# Altium PCB VNA_BASE_AF2P-5.PcbDoc (part 2 of 3) (continued)
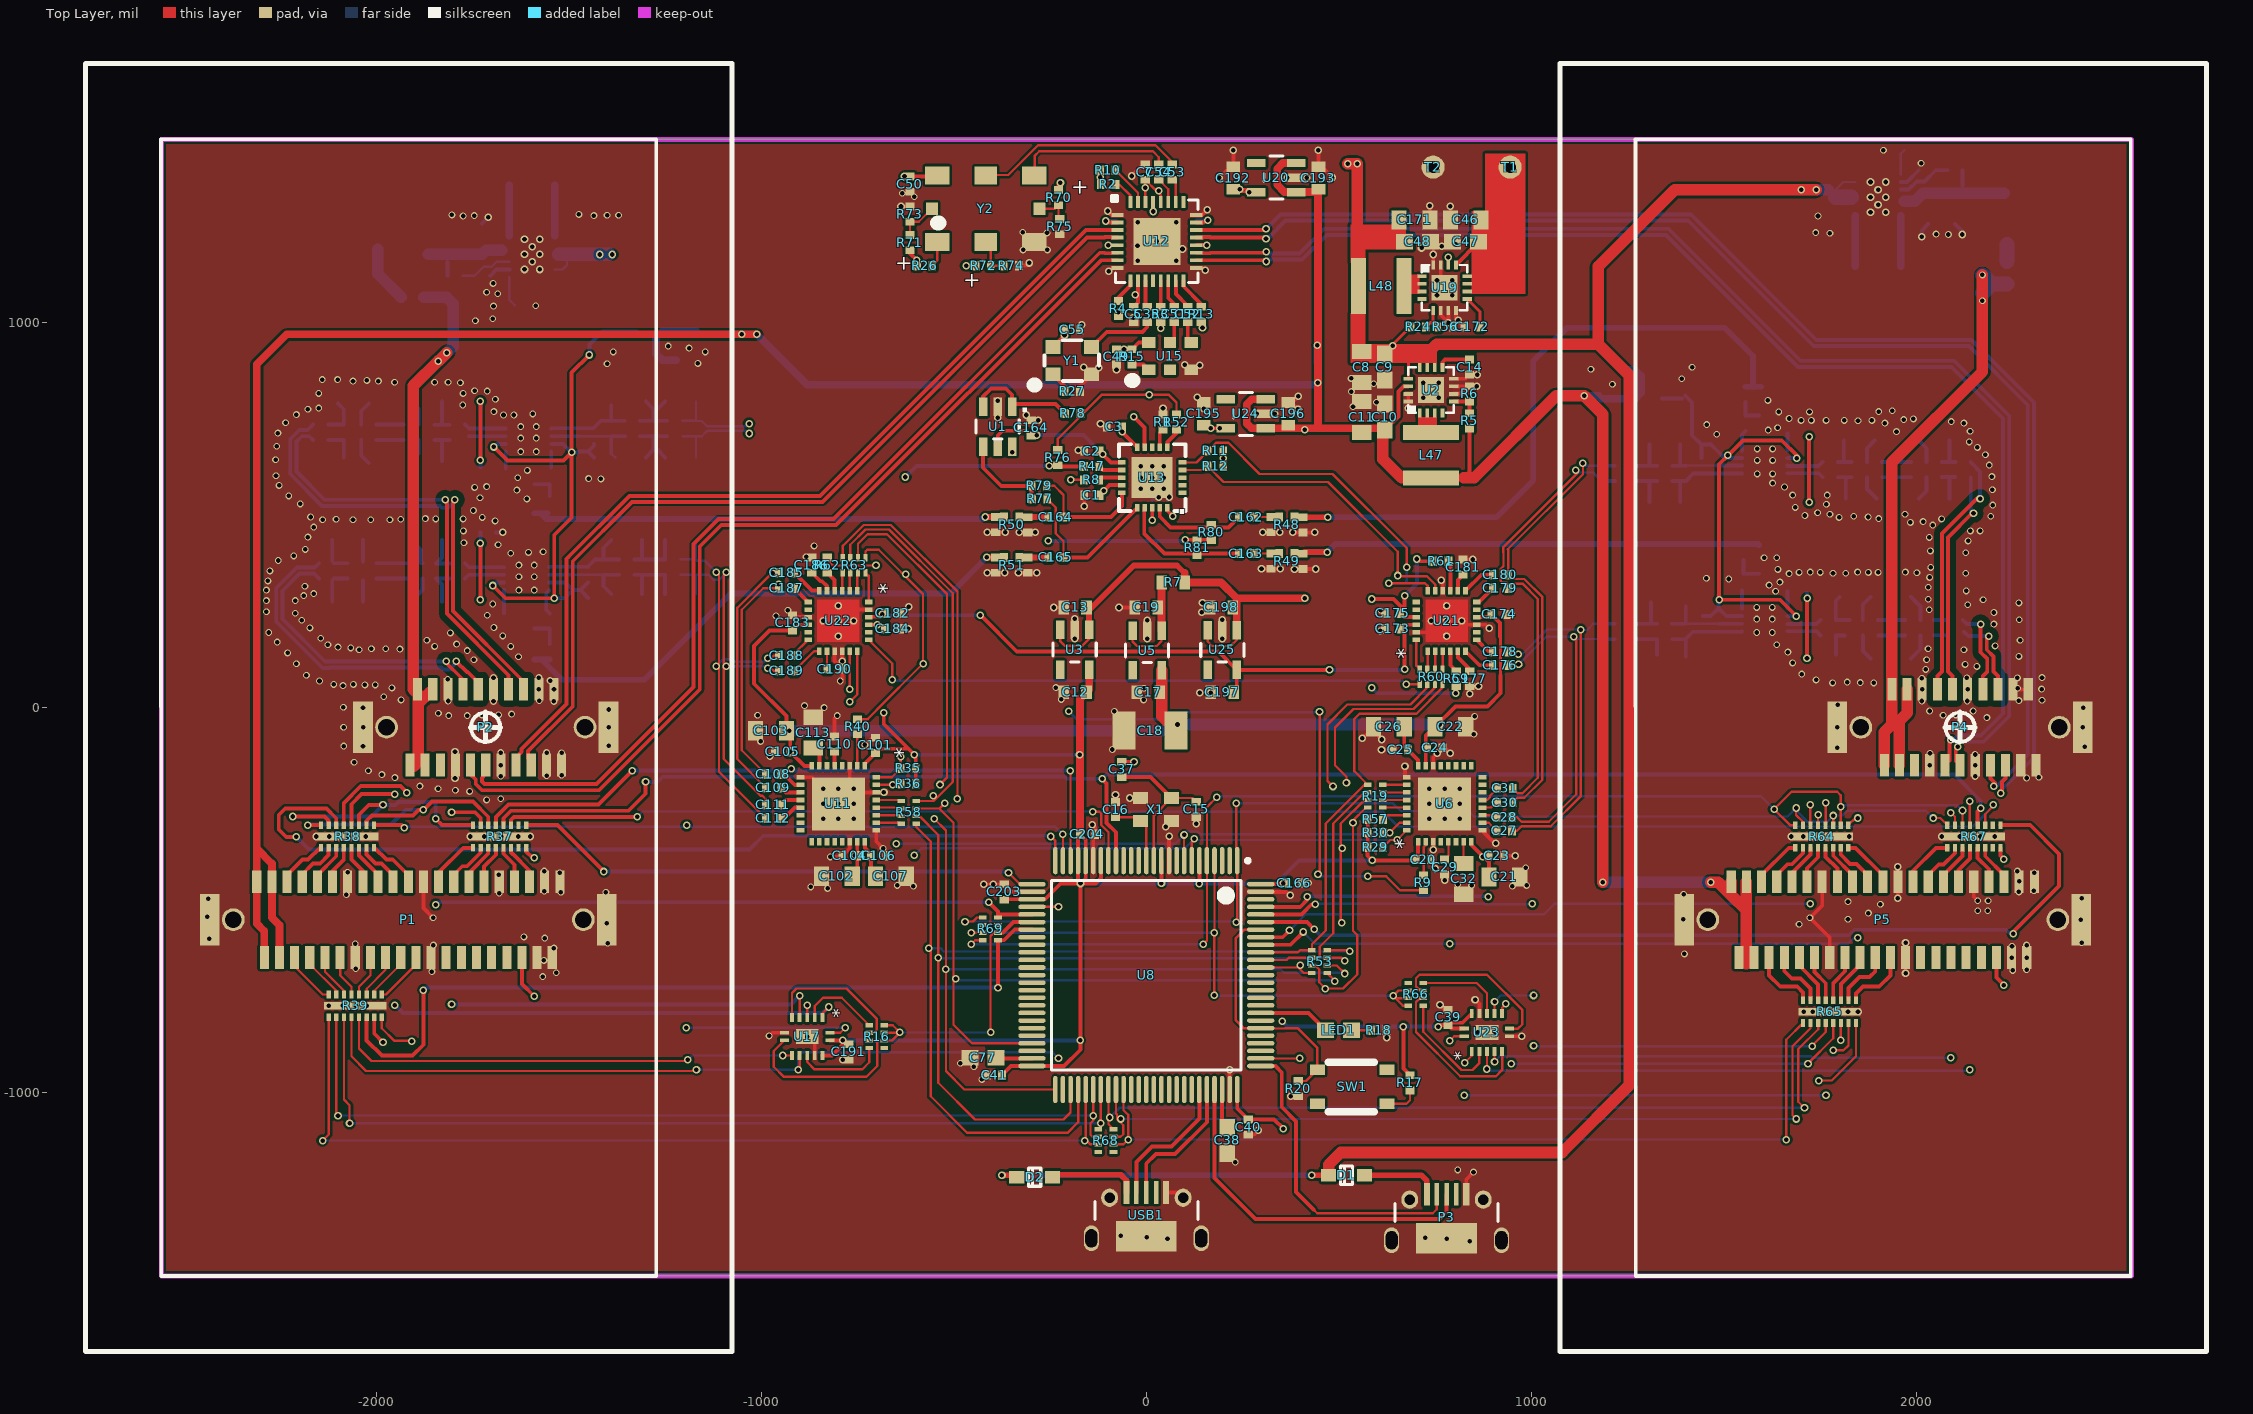
[diagram p0: Top Layer view]
## Nets (pads, with @x,y where several pads share a name; then routed paths per layer and width w, separated by ;. In a path a pad name is that pad's centre, name@x,y a point inside that pad or via, vN(x,y) a via of type N, cw(c..) or ccw(c..) an arc to the next point about the centre after c; other vN are vias at no path point) (continued)
  other v3: -1615.37,1138.26 -1576,1138.26 -1595.68,1157.95 -1615.37,1177.63 -1576,1177.63 -1595.68,1197.32 -1615.37,1217 -1576,1217 1881.48,1286.5 1920.85,1286.5 1901.17,1306.18 1881.48,1325.87 1920.85,1325.87 1901.17,1345.55 1881.48,1365.24 1920.85,1365.24
IF_CS: R37.13 U8.23 U17.4 | length 2474
  Top Layer w6: U17.4@-880.98,-805.5 v1(-880.98,-772.98) ; U8.23@-196.85,-397.76 v1@-196.85,-165.15
  Top Layer w10: R37.13@-1689.84,-305.47 -1689.84,-284.66 -1657.18,-252 -1423,-252 v1(-1335,-164)
  Signal Layer 1 w10: v1(-922,-159) -922,-756.82 -905.83,-772.98 v1(-880.98,-772.98)
  Bottom Layer w10: v1(-1335,-164) -1334.16,-163.16 -198.84,-163.16 v1(-198,-164)
IF_CS2: R67.13 U8.97 U23.4 | length 3118
  Top Layer w6: v1(885,-939) U23.4@885,-893.21 ; R67.13@2139,-304.32 2139.31,-304 2139.31,-243.31 v1(2139,-243)
  Top Layer w10: U8.97@297.24,-517.84 400.06,-517.84 417.74,-500.16 417.84,-500.16 418,-500 v1(418,-492)
  Signal Layer 1 w6: v1(2139,-941) 2139.31,-940.69 2139.31,-243.31 v1(2139,-243)
  Signal Layer 1 w10: v1@883.84,-937.84 883.84,-496.16 v1(888,-492)
  Bottom Layer w6: v1(885,-939) 889.84,-943.84 2136.16,-943.84 v1(2139,-941)
  Bottom Layer w10: v1(418,-492) 419.84,-490.16 886.16,-490.16 v1(888,-492)
IF_MISO: R37.15 U17.5 | length 1570
  Top Layer w6: U17.5@-900.67,-805.5 v1(-900.67,-748.67)
  Top Layer w10: v1(-1805,-272) -1744,-272 -1729.21,-286.79 R37.15@-1729.21,-305.47
  Signal Layer 1 w10: v1(-1805,-771) v1(-1805,-272)
  Bottom Layer w10: v1(-1805,-771) -923,-771 v1(-900.67,-748.67)
IF_MISO2: R67.15 U23.5 | length 1892.9
  Top Layer w6: v1(904.68,-919.68) U23.5@904.68,-893.21 ; v1(2090,-273) 2100.79,-283.79 R67.15@2100.79,-305.47
  Signal Layer 1 w6: v1(2090,-910) v1(2090,-273)
  Bottom Layer w6: v1(904.68,-919.68) 918.21,-906.16 1726.8,-906.16 1730.65,-910 v1(2090,-910)
IF_MOSI: R37.14 R38.10 R38.16 R39.6 R69.5 U8.32 | length 3299.2
  Top Layer w10: v1@-2177.47,-305.47 R38.16@-2143.9,-305.47 ; R38.10@-2025.79,-305.47 -2025.79,-294.05 -2011.74,-280 -1905,-280 -1891,-266 v1(-1878,-266) -1856,-244 -1749.37,-244 -1709.53,-283.84 R37.14@-1709.53,-305.47 ; R39.6@-2025.47,-804.53 -2025.47,-864.53 -1986,-904 -1906,-904 -1878,-876 v1(-1878,-734) ; v1(-385.32,-727.68) R69.5@-385.32,-604.53 -369.53,-604.53 -341.89,-576.89 U8.32@-297.24,-576.89
  Signal Layer 1 w10: v1(-1878,-734) v1(-1878,-266)
  Bottom Layer w10: v1@-2178,-303.84 -1961.84,-303.84 -1924,-266 v1(-1878,-266) ; v1(-1878,-734) -1871.68,-727.68 v1(-385.32,-727.68)
  other v1: -2178,-306
IF_MOSI2: R64.10 R64.16 R65.6 R67.14 R69.4 U8.5 | length 3853.8
  Top Layer w6: v1(-455,-615) -444.53,-604.53 R69.4@-424.69,-604.53 ; v1(148,-615) 157.48,-605.52 U8.5@157.48,-397.76 157.48,-258.52 v1(183,-233) ; R64.16@1686.1,-305.47 1672.47,-305.47 v1(1631,-264) 1676,-219 1795,-219 1804.21,-228.21 v1(1804.21,-257.79) R64.10@1804.21,-305.47 ; v1@1804.53,-863.47 R65.6@1804.53,-819.53 ; R67.14@2120.47,-305.47 v1(2120.47,-267.47)
  Signal Layer 1 w6: v1(1804.21,-863.79) 1804.16,-863.73 1804.16,-257.84 v1(1804.21,-257.79)
  Bottom Layer w6: v1(-455,-615) v1(148,-615) ; v1(183,-233) 185.84,-230.16 1597.16,-230.16 v1(1631,-264) ; v1(1804.21,-257.79) 1807.84,-254.16 2107.16,-254.16 v1(2120.47,-267.47)
IF_SCLK: R37.16 R38.11 R38.15 R39.7 R69.8 U8.30 | length 3236.6
  Top Layer w10: v1(-2218,-283) -2134.65,-283 -2124.21,-293.44 R38.15@-2124.21,-305.47 ; R38.11@-2045.47,-305.47 -2045.47,-278.47 -2020,-253 v1(-1983,-253) ; R39.7@-2005.79,-804.53 -2005.79,-847.21 v1(-1983,-870) ; v1(-1846,-289) -1829.53,-305.47 R37.16@-1748.9,-305.47 ; v1(-409,-506) -385.32,-529.68 R69.8@-385.32,-545.47 -377.36,-537.52 U8.30@-297.24,-537.52
  Signal Layer 1 w10: v1(-1983,-870) v1(-1983,-253) ; v1(-1846,-512) v1(-1846,-289)
  Bottom Layer w10: v1(-2218,-283) -2013,-283 v1(-1983,-253) -1950.52,-253 -1942.68,-245.16 -1852.84,-245.16 -1846,-252 v1(-1846,-289) ; v1(-1846,-512) -1840,-506 v1(-409,-506)
IF_SCLK2: R64.11 R64.15 R65.7 R67.16 R69.1 U8.1 | length 3778.5
  Top Layer w6: v1(-471,-556) -450.05,-556 -439.53,-545.47 R69.1@-424.69,-545.47 ; v1(234,-558) 236.22,-555.78 U8.1@236.22,-397.76 ; U8.1@234,-403.78 v1(234,-249) ; v1(1688,-261) 1688,-279.09 1705.79,-296.88 R64.15@1705.79,-305.47 ; v1(1784.53,-890.53) 1811.47,-890.53 1824.21,-877.79 R65.7@1824.21,-819.53 ; R64.11@1784.53,-305.47 v1(1784.53,-280.53) ; v1(2044,-287) 2062.63,-287 R67.16@2081.1,-305.47
  Signal Layer 1 w6: v1(1784.53,-890.53) v1(1784.53,-280.53)
  Bottom Layer w6: v1(-471,-556) 232,-556 v1(234,-558) ; v1(234,-249) 641,-249 660.84,-268.84 836.84,-268.84 850.84,-282.84 1666.16,-282.84 v1(1688,-261) 1688,-267 1718,-297 1768.06,-297 v1(1784.53,-280.53) 1808.12,-280.53 1820.49,-268.16 2025.16,-268.16 v1(2044,-287)
KEY: R20.1 SW1.1 U8.81 U8.94 | length 648.1
  Top Layer w6: U8.94@297.24,-576.89 255.11,-576.89 232,-600 232,-812 252.8,-832.8 U8.81@297.24,-832.8 298.29,-833.84 360.8,-833.84 361.85,-832.8 392.8,-832.8 444.45,-884.45 SW1.1@444.45,-940.71 414.84,-970.31 R20.1@395,-970.31
LO_REF_1_N: P2.6 U12.6 | length 2490.9
  Top Layer w10: P2.6@-1716,-149.42 -1716,-173 -1726,-183 -1726,-192 -1719.31,-198.69 -1428.31,-198.69 -1176,53.63 -1176,425 -1111,490 -812.63,490 -121.05,1181.57 -108.53,1181.57 -107.37,1180.42 -90.11,1180.42 -88.95,1181.57 U12.6@-74.84,1181.57
LO_REF_1_P: P2.7 U12.7 | length 2492.3
  Top Layer w10: P2.7@-1755.37,-173.63 -1742,-187 -1742,-199 -1726.31,-214.69 -1421.69,-214.69 -1160,47 -1160,418.37 -1104.37,474 -806,474 -118.11,1161.89 U12.7@-74.84,1161.89
LO_REF_2_N: P4.6 U12.19 | length 3334.8
  Top Layer w10: U12.19@129.88,1181.57 147.47,1181.57 148.63,1180.42 165.89,1180.42 167.05,1181.57 309,1181.57 v1(312,1184.58) ; P4.6@2103,-138.43 2103,-107.48 v1(2108.24,-102.24)
  Bottom Layer w10: v1(312,1184.58) 316.84,1179.73 398,1179.73 462.27,1244 1356.63,1244 1699.63,901 2098.63,901 2242,757.63 2242,-21.63 2174.63,-89 2114.63,-89 2106.31,-97.31 2106.31,-100.31 v1(2108.24,-102.24)
LO_REF_2_P: P4.7 U12.18 | length 3310.3
  Top Layer w10: U12.18@129.88,1161.89 309,1161.89 v1(312,1158.89) ; 2087,-137.41 2087,-87.15 v1(2090.08,-84.08)
  Bottom Layer w10: v1(312,1158.89) 316.84,1163.73 404.63,1163.73 468.89,1228 1350,1228 1693,885 2092,885 2226,751 2226,-15 2168,-73 2108,-73 2095,-86 2092,-86 v1(2090.08,-84.08)
LOH_A1: C165.1 R77.1 U13.16 | length 414
  Top Layer w6: R77.1@-257.32,542 -235,519.69 -235,452 -215.32,432.32 C165.1@-215.32,390
  Top Layer w10: C165.1@-215.32,390 -152.8,390 U13.16@-24.06,518.74
LOH_A2: C164.1@-215.32,495 R79.1 U13.15 | length 308.4
  Top Layer w6: R79.1@-258.32,576 -239,576 -215.32,552.32 C164.1@-215.32,495
  Top Layer w10: C164.1@-215.32,495 -92,495 -63.43,523.57 U13.15@-63.43,558.11
LOH_B1: C162.1 R80.1 U13.19 | length 250.8
  Top Layer w10: U13.19@35,518.74 35,496.1 63.1,468 213.31,468 C162.1@240.31,495
LOH_B2: C163.1 R81.1 U13.17 | length 334.3
  Top Layer w10: U13.17@-4.37,518.74 -5.53,517.58 -5.53,452.53 47,400 C163.1@240.31,400
NetC14_1: C14.1 U2.9 | length 86.9
  Top Layer w10: U2.9@769.21,883.74 769.21,897.21 776.37,904.37 C14.1@839.69,904.37
NetC15_2: C15.2 C37.1 U8.12 X1.3 | length 402.2
  Top Layer w6: U8.12@19.68,-397.76 19.68,-280.32 X1.3@65,-235 120,-235 C15.2@130,-245
  Top Layer w10: C37.1@-64,-180.69 10.69,-180.69 X1.3@65,-235
NetC16_2: C16.2 U8.13 X1.1 | length 156.9
  Top Layer w6: C16.2@-80,-285 -25,-285 X1.1@-15,-295 ; U8.13@0,-397.76 X1.1@0,-310
NetC19_2: C19.2 R7.1 U5.1 U5.3 | length 265
  Top Layer w6: U5.3@-35.82,199.74 -35.82,171.82 -24,160 27,160 39.58,172.58 U5.1@39.58,199.74
  Top Layer w20: U5.1@39.58,199.74 R7.1@39.58,324.11
NetC25_2: C25.2 C26.2 U6.24 | length 116.5
  Top Layer w10: C26.2@670,-50 670,-100 C25.2@680,-110 706.1,-136.1 U6.24@706.1,-151.58
NetC27_1: C27.1 U6.10 | length 45.5
  Top Layer w6: U6.10@873.43,-299.21 889.53,-299.21 C27.1@910.31,-320
NetC28_1: C28.1 U6.11 | length 31.4
  Top Layer w6: U6.11@873.43,-279.53 C28.1@904.84,-279.53
NetC29_2: C29.2 U6.5 | length 36.7
  Top Layer w6: C29.2@784.84,-385.16 U6.5@784.84,-348.43
NetC30_2: C30.2 U6.12 | length 42.7
  Top Layer w6: U6.12@873.43,-259.84 895.16,-259.84 C30.2@910,-245
NetC31_2: C31.2 U6.13 | length 53.4
  Top Layer w6: U6.13@873.43,-240.16 885.84,-240.16 893,-233 893,-229 C31.2@912,-210
NetC32_2: C32.2 U6.7 | length 55.8
  Top Layer w6: C32.2@824.21,-404.21 U6.7@824.21,-348.43
NetC35_1: C35.1 Y1.3 | length 179.2
  Top Layer w10: Y1.3@-142.28,936.54 -102.82,976 -10,976 2.52,988.52 C35.1@2.52,1001.42
NetC35_2: C35.2 U12.11 | length 69.5
  Top Layer w10: U12.11@-2.01,1108.74 -2.01,1045.63 C35.2@2.52,1041.1
NetC37_2: C37.2 U13.9 | length 1026.9
  Top Layer w10: C37.2@-64,-141 v1(-32,-141) ; v1(-33,756) -4.37,727.37 U13.9@-4.37,676.22
  Signal Layer 1 w10: v1(-33,756) -40,749 -40,-133 v1(-32,-141)
NetC38_2: C38.2 U8.73 | length 90.6
  Top Layer w10: C38.2@196.85,-1092.85 U8.73@196.85,-1002.24
NetC51_1: C51.1 U15.5 | length 41.9
  Top Layer w10: U15.5@72.52,959.53 C51.1@72.52,1001.42
NetC51_2: C51.2 U12.14 | length 66.7
  Top Layer w10: U12.14@57.05,1108.74 57.05,1063.95 C51.2@72.52,1048.48
NetC52_1: C52.1 U15.4 | length 43.8
  Top Layer w10: U15.4@107.52,957.65 C52.1@107.52,1001.42
NetC52_2: C52.2 U12.15 | length 80.4
  Top Layer w10: U12.15@76.73,1108.74 76.73,1074.45 107.52,1043.66 C52.2@107.52,1041.1
NetC53_1: C53.1 Y2.5 | length 540.4
  Top Layer w6: Y2.5@-416.1,1383.46 -358.54,1383.46 -281.12,1460.88 24.12,1460.88 67.52,1417.48 C53.1@67.52,1410.79
NetC53_2: C53.2 U12.26 | length 48.4
  Top Layer w6: U12.26@76.73,1313.46 C53.2@76.73,1361.89
NetC54_1: C54.1 Y2.4 | length 402.4
  Top Layer w6: Y2.4@-290.12,1383.46 -290.12,1432.88 -278,1445 17.31,1445 32.52,1429.79 C54.1@32.52,1410.79
NetC54_2: C54.2 U12.27 | length 67.8
  Top Layer w6: C54.2@32.52,1371.1 57.05,1346.57 U12.27@57.05,1313.46
NetC56_2: C56.2 C58.2 L1.1 | length 80.3
  Bottom Layer w10: C56.2@-1590,205 C58.2@-1550,205 L1.1@-1550,164.68
NetC57_2: C57.2 L1.2 R51.1 | length 1373.7
  Top Layer w15: v1(-415,390) R51.1@-391,390
  Bottom Layer w15: C57.2@-1590,125 -1571,125 ; L1.2@-1550,125 -1571,125 ; v1(-415,390) -508.34,296.66 -1079.34,296.66 -1304,72 -1518,72 -1571,125
NetC58_1: C58.1 U18.8 | length 67.7
  Bottom Layer w10: U18.8@-1550.94,305.47 -1558.84,297.58 -1558.84,253.53 C58.1@-1550,244.68
NetC59_1: C59.1 U18.1 | length 59.8
  Bottom Layer w10: C59.1@-1669.06,245.63 U18.1@-1669.06,305.47
NetC61_2: C61.2 C62.2 L4.1 | length 90
  Bottom Layer w10: L4.1@-2115,275 C61.2@-2115,330 ; C61.2@-2110,335 C62.2@-2075,335
NetC62_1: C62.1 C76.2 L8.2 | length 89.7
  Bottom Layer w10: C76.2@-2115,380 L8.2@-2115,435 ; C76.2@-2110,375 C62.1@-2075.32,375
NetC63_1: C63.1 L4.2 | length 55.3
  Bottom Layer w10: L4.2@-2035,275 C63.1@-2035,330.31
NetC63_2: C63.2 C72.1 C130.1 | length 80.3
  Bottom Layer w10: C63.2@-2000,335 C72.1@-1919.69,335
NetC64_1: C64.1 C73.2 L5.1 | length 101.2
  Bottom Layer w10: L5.1@-1830,435 -1830,389.68 C64.1@-1845,374.68 C73.2@-1810.32,374.68
NetC64_2: C64.2 C65.1 L9.2 | length 101.5
  Bottom Layer w10: L9.2@-1830,275 -1830,320 C64.2@-1845,335 C65.1@-1809.69,335
NetC65_2: C65.2 L13.2 U18.3 | length 105
  Bottom Layer w10: C65.2@-1770,335 -1760.16,344.84 U18.3@-1669.06,344.84
NetC66_1: C66.1 C74.2 L10.2 R31.1 U18.5 | length 249.7
  Bottom Layer w10: U18.5@-1550.94,364.53 -1550.95,365.68 R31.1@-1451,365.68 ; R31.1@-1450,364.68 R31.1@-1451,365.68 ; C66.1@-1409.68,385 C74.2@-1370,385 ; L10.2@-1390,435 -1410,415 C66.1@-1410,384.68 -1432,384.68 R31.1@-1451,365.68
NetC66_2: C66.2 C67.1 L6.1 R28.1 U18.6 | length 239.1
  Bottom Layer w6: R28.1@-1489.68,345 C66.2@-1410,345
  Bottom Layer w10: U18.6@-1550.94,344.84 R28.1@-1490.16,344.84 ; L6.1@-1390,295 -1410,315 C66.2@-1410,345 C67.1@-1369.69,345
NetC67_2: C67.2 C68.2 C69.1 L6.2 L7.1 | length 179
  Bottom Layer w10: C67.2@-1330,345 C68.2@-1290,345 C69.1@-1249.68,345 ; L6.2@-1310,295 -1310,344 ; L7.1@-1250,295 C69.1@-1250,344.68
NetC68_1: C68.1 C74.1 C75.2 L10.1 L11.2 | length 180.3
  Bottom Layer w10: C74.1@-1330.32,385 C75.2@-1250,385 L11.2@-1250,435 ; -1310,385 L10.1@-1310,435
NetC71_1: C71.1 L8.1 | length 55.3
  Bottom Layer w10: C71.1@-2035,379.69 L8.1@-2035,435
NetC71_2: C71.2 C130.2 C131.2 | length 80
  Bottom Layer w10: C71.2@-2000,375 C130.2@-1960,375 C131.2@-1920,375
NetC72_2: C72.2 L9.1 | length 72.4
  Bottom Layer w10: L9.1@-1910,275 -1880,305 C72.2@-1880,335
NetC73_1: C73.1 L12.1 U18.4 | length 105.6
  Bottom Layer w10: C73.1@-1770.32,375 -1759.84,364.53 U18.4@-1669.06,364.53
NetC77_2: C77.2 U8.49 | length 92.2
  Top Layer w10: C77.2@-389.46,-911.54 U8.49@-297.24,-911.54
NetC78_2: C78.2 C80.2 L14.1 | length 70.3
  Bottom Layer w10: C78.2@-1590,580 C80.2@-1550,580 L14.1@-1550,549.68
NetC79_2: C79.2 L14.2 R50.1 | length 1226.6
  Top Layer w15: v1(-418,495) R50.1@-391,495
  Bottom Layer w15: C79.2@-1590,505 -1574,505 ; L14.2@-1555,505 -1574,505 ; v1(-418,495) -423.34,489.66 -1558.66,489.66 -1574,505
NetC80_1: C80.1 U9.8 | length 41.7
  Bottom Layer w10: C80.1@-1545.95,623.74 U9.8@-1545.94,665.47
NetC81_1: C81.1 U9.1 | length 44.8
  Bottom Layer w10: C81.1@-1664.06,620.63 U9.1@-1664.06,665.47
NetC83_1: C83.1 C96.1 C168.2 | length 70.3
  Bottom Layer w10: C168.2@-2000,695 C83.1@-1929.69,695
NetC83_2: C83.2 L18.1 | length 63.3
  Bottom Layer w10: L18.1@-1910,640 -1890,660 C83.2@-1890,695
NetC84_1: C84.1 C169.2 L18.2 | length 95.2
  Bottom Layer w10: C169.2@-1850,695 C84.1@-1809.69,695 ; L18.2@-1830,640 -1830,694.84
NetC84_2: C84.2 L23.2 U9.3 | length 96.1
  Bottom Layer w10: C84.2@-1760.16,704.84 U9.3@-1664.06,704.84
NetC85_2: C85.2 C167.2 L17.1 | length 85
  Bottom Layer w10: C85.2@-2125,695 C167.2@-2085,695 L17.1@-2085,650
NetC86_1: C86.1 C89.1 L49.1 R14.1 U7.4 U7.5 | length 233.2
  Bottom Layer w10: R14.1@-1815.37,1121.63 -1815.37,1157.94
  Bottom Layer w30: L49.1@-1865.63,1177.63 C86.1@-1795.68,1177.63 C89.1@-1725.68,1177.63 ; C89.1@-1727.05,1179 C89.1@-1725.68,1177.63 ; -1675,1188 -1715.31,1188 C89.1@-1725.68,1177.63
NetC90_1: C90.1 C170.2 L15.1 R25.1 U9.6 | length 249.9
  Bottom Layer w6: R25.1@-1475,704.68 C170.2@-1390.32,704.68 ; L15.1@-1390,660 L15.1@-1380,650
  Bottom Layer w10: U9.6@-1545.94,704.84 R25.1@-1475.16,704.84 ; L15.1@-1390,660 C170.2@-1390,705 C90.1@-1354.69,705
NetC90_2: C90.2 C91.2 C92.1 L15.2 L16.1 | length 171.9
  Bottom Layer w10: C90.2@-1315,705 C91.2@-1280,705 ; L15.2@-1300,650 -1280,670 ; L16.1@-1250,650 -1270,670 -1280,670 ; C92.1@-1244.69,705 C91.2@-1280,705 ; -1280,670 C91.2@-1280,705
NetC91_1: C91.1 C94.1 C95.2 L21.1 L22.2 | length 171.3
  Bottom Layer w10: C94.1@-1315.32,745 C91.1@-1280,745 ; L21.1@-1300,795 -1280,775 -1280,765 ; C91.1@-1280,744.68 C91.1@-1280,745 ; L22.2@-1250,795 -1280,765 ; C95.2@-1245,745 C91.1@-1280,745 ; C91.1@-1280,745 -1280,765
NetC94_2: C94.2 C170.1 L21.2 R33.1 U9.5 | length 240.4
  Bottom Layer w10: U9.5@-1545.94,724.53 -1545.95,725.68 -1436,725.68 -1416.68,745 C170.1@-1390,745 ; C170.1@-1390,744.68 C170.1@-1390,745 ; L21.2@-1390,785 C170.1@-1390,745 ; C94.2@-1355,745 C170.1@-1390,745
NetC96_2: C96.2 C98.2 C99.2 | length 70
  Bottom Layer w10: C98.2@-2000,735 C96.2@-1965,735 C99.2@-1930,735
NetC97_2: C97.2 C167.1 L19.2 | length 101.7
  Bottom Layer w10: C97.2@-2125,735 -2085.32,735 C167.1@-2085,734.68 -2085,775 L19.2@-2100,790
NetC98_1: C98.1 L19.1 | length 63.2
  Bottom Layer w10: C98.1@-2039.69,735 -2039.69,770.31 L19.1@-2020,790
NetC99_1: C99.1 L20.2 | length 68.2
  Bottom Layer w10: L20.2@-1910,795 -1890.32,775.32 C99.1@-1890.32,735
NetC100_1: C100.1 L24.1 U9.4 | length 110.6
  Bottom Layer w10: C100.1@-1770.32,735 -1759.84,724.53 U9.4@-1664.06,724.53
NetC100_2: C100.2 C169.1 L20.1 | length 99
  Bottom Layer w10: C169.1@-1850,734.68 C100.2@-1810.32,734.68 ; -1830,735.68 L20.1@-1830,795
NetC106_2: C106.2 C107.2 U11.24 | length 85.1
  Top Layer w10: U11.24@-731.1,-348.43 -731.1,-364.9 -715,-381 C106.2@-715,-385 C107.2@-715,-426.86
NetC108_1: C108.1 U11.10 | length 54
  Top Layer w10: C108.1@-940.93,-173.07 -913.21,-200.79 U11.10@-898.43,-200.79
NetC109_1: C109.1 U11.11 | length 55.8
  Top Layer w10: C109.1@-949.1,-208.07 -936.7,-220.47 U11.11@-898.43,-220.47
NetC110_2: C110.2 U11.5 | length 36.4
  Top Layer w10: U11.5@-809.84,-151.58 C110.2@-809.84,-115.16
NetC111_2: C111.2 U11.12 | length 55.7
  Top Layer w10: C111.2@-948.79,-253.07 -935.87,-240.16 U11.12@-898.43,-240.16
NetC112_2: C112.2 U11.13 | length 54.3
  Top Layer w10: C112.2@-941.07,-288.07 -912.84,-259.84 U11.13@-898.43,-259.84
NetC113_2: C113.2 U11.7 | length 30.8
  Top Layer w10: U11.7@-849.21,-151.58 C113.2@-849.21,-120.79
NetC114_2: C114.2 C116.2 L25.1 | length 70.3
  Bottom Layer w10: L25.1@1557.01,793.7 C116.2@1557.01,758.39 C114.2@1592.01,758.39
NetC115_2: C115.2 L25.2 R48.2 | length 1705.2
  Top Layer w15: R48.2@407,494.69 v1(471.68,494.68)
  Bottom Layer w15: v1(471.68,494.68) 909.68,494.68 1005,590 1005,900 1092,987 1502,987 1576,913 1576,833.39 ; L25.2@1557.01,833.39 1576,833.39 ; 1576,833 1576,833.39 ; C115.2@1597.01,833.39 1576,833.39
NetC116_1: C116.1 U14.8 | length 54.5
  Bottom Layer w10: U14.8@1547.95,667.91 1547.95,709.64 C116.1@1557.01,718.7
NetC117_1: C117.1 U14.1 | length 44.8
  Bottom Layer w10: U14.1@1666.06,667.91 C117.1@1666.06,712.76
NetC119_1: C119.1 C123.2 C134.1 | length 75.3
  Bottom Layer w10: C119.1@1911.69,638.39 C123.2@1987.01,638.39
NetC119_2: C119.2 L29.1 | length 63.3
  Bottom Layer w10: C119.2@1872.01,638.39 1872.01,673.39 L29.1@1892.01,693.39
NetC120_1: C120.1 C124.2 L29.2 | length 90.3
  Bottom Layer w10: C120.1@1796.69,638.39 C124.2@1832.01,638.39 ; 1812.01,638.39 L29.2@1812.01,693.39
NetC120_2: C120.2 L34.2 U14.3 | length 96.7
  Bottom Layer w10: U14.3@1666.06,628.54 1666.06,627.39 1746.01,627.39 C120.2@1757.01,638.39
NetC121_2: C121.2 C122.2 L28.1 | length 88
  Bottom Layer w10: C122.2@2067.01,638.39 C121.2@2102.01,638.39 ; 2087.01,640.39 L28.1@2087.01,693.39
NetC122_1: C122.1 C135.2 L30.2 | length 89
  Bottom Layer w10: C122.1@2067.01,598.7 C135.2@2101.69,598.7 ; L30.2@2087.01,543.39 2087.01,597.69
NetC123_1: C123.1 L28.2 | length 63.2
  Bottom Layer w10: L28.2@2007.01,693.39 2026.69,673.7 C123.1@2026.69,638.39
NetC124_1: C124.1 C138.2 L31.1 | length 86.7
  Bottom Layer w10: C138.2@1797.01,598.39 C124.1@1831.69,598.39 ; L31.1@1817.01,543.39 1817.01,595.38
NetC125_1: C125.1 C132.2 L32.2 R42.1 U14.5 | length 243.1
  Bottom Layer w10: C132.2@1367.01,588.39 1401.69,588.39 C125.1@1402.01,588.7 1421.01,607.7 1547.95,607.7 U14.5@1547.95,608.86 ; L32.2@1387.01,533.39 1387.01,586.38
NetC125_2: C125.2 C126.1 L26.1 R41.1 U14.6 | length 233.8
  Bottom Layer w6: C125.2@1402.32,628.7 R41.1@1482.01,628.7
  Bottom Layer w10: C126.1@1366.69,628.39 C125.2@1402.01,628.39 ; 1387.01,630.39 L26.1@1387.01,683.39 ; R41.1@1482.17,628.54 U14.6@1547.95,628.54
NetC126_2: C126.2 C127.2 C128.1 L26.2 L27.1 | length 179
  Bottom Layer w10: C128.1@1256.69,628.39 C127.2@1292.01,628.39 C126.2@1327.01,628.39 ; C128.1@1257.01,628.7 L27.1@1257.01,683.39 ; 1307.01,629.38 L26.2@1307.01,683.39
NetC127_1: C127.1 C132.1 C133.2 L32.1 L33.2 | length 178.3
  Bottom Layer w10: L33.2@1257.01,533.39 C133.2@1257.01,588.39 C132.1@1327.32,588.39 ; L32.1@1307.01,533.39 1307.01,586.39
NetC131_1: C131.1 L5.2 | length 74.5
  Bottom Layer w10: L5.2@-1910,435 -1884,409 -1884,375 C131.1@-1880.32,375
NetC134_2: C134.2 C136.2 C137.2 | length 75
  Bottom Layer w10: C137.2@1912.01,598.39 C134.2@1952.01,598.39 C136.2@1987.01,598.39
NetC136_1: C136.1 L30.1 | length 63.2
  Bottom Layer w10: L30.1@2007.01,543.39 2026.69,563.07 C136.1@2026.69,598.39
NetC137_1: C137.1 L31.2 | length 65.2
  Bottom Layer w10: C137.1@1872.32,598.39 1872.32,568.07 L31.2@1897.01,543.39
NetC138_1: C138.1 L35.1 U14.4 | length 95.6
  Bottom Layer w10: U14.4@1666.06,608.86 1746.85,608.86 C138.1@1757.32,598.39
NetC139_2: C139.2 C141.2 L36.1 | length 75.3
  Bottom Layer w10: L36.1@1551.42,382.95 C141.2@1551.42,347.64 C139.2@1591.42,347.64
NetC140_2: C140.2 L36.2 R49.2 | length 1195.9
  Top Layer w15: R49.2@407,399.69 411.32,404 v1(470,404)
  Bottom Layer w15: v1(470,404) 491,425 1589.06,425 C140.2@1591.42,422.64
NetC141_1: C141.1 U16.8 | length 46.7
  Bottom Layer w10: U16.8@1547.36,257.17 C141.1@1547.36,303.9
NetC142_1: C142.1 U16.1 | length 44.8
  Bottom Layer w10: U16.1@1665.47,257.17 C142.1@1665.47,302.01
NetC144_1: C144.1 C148.2 C157.1 | length 70.3
  Bottom Layer w10: C144.1@1901.1,227.64 C148.2@1971.42,227.64
NetC144_2: C144.2 L40.1 | length 68.3
  Bottom Layer w10: C144.2@1861.42,227.64 1861.42,267.64 L40.1@1881.42,287.64
NetC145_1: C145.1 C149.2 L40.2 | length 99.6
  Bottom Layer w10: L40.2@1801.42,287.64 1791.1,277.32 C145.1@1791.1,227.64 C149.2@1826.42,227.64
NetC145_2: C145.2 L45.2 U16.3 | length 91.7
  Bottom Layer w10: U16.3@1665.47,217.8 1665.47,216.64 1740.42,216.64 C145.2@1751.42,227.64
NetC146_2: C146.2 C147.2 L39.1 | length 94.6
  Bottom Layer w10: C147.2@2046.42,227.64 C146.2@2081.42,227.64 ; 2066.42,228.06 L39.1@2066.42,287.64
NetC147_1: C147.1 C158.2 L41.2 | length 94.6
  Bottom Layer w10: C147.1@2046.42,187.95 C158.2@2081.1,187.95 ; L41.2@2066.42,127.64 2066.42,187.53
NetC148_1: C148.1 L39.2 | length 70.2
  Bottom Layer w10: L39.2@1986.42,287.64 2011.1,262.95 C148.1@2011.1,227.64
NetC149_1: C149.1 C161.2 L42.1 | length 72.2
  Bottom Layer w10: L42.1@1791.42,137.64 C161.2@1791.42,187.64 1813.64,187.64
NetC150_1: C150.1 C155.2 L43.2 R45.1 U16.5 | length 235.4
  Bottom Layer w10: C155.2@1366.42,177.64 1401.1,177.64 C150.1@1401.42,177.95 ; L43.2@1401.42,132.64 C150.1@1401.42,177.95 ; U16.5@1547.36,198.11 1547.36,196.95 1420.42,196.95 C150.1@1401.42,177.95
NetC150_2: C150.2 C151.1 L37.1 R44.1 U16.6 | length 225.8
  Bottom Layer w6: C150.2@1401.73,217.95 R44.1@1486.42,217.95
  Bottom Layer w10: C151.1@1366.1,217.64 C150.2@1401.42,217.64 L37.1@1401.42,262.64 ; R44.1@1486.58,217.79 U16.6@1547.36,217.8
NetC151_2: C151.2 C152.2 C153.1 L37.2 L38.1 | length 178.4
  Bottom Layer w10: C153.1@1256.1,217.64 C152.2@1291.42,217.64 C151.2@1326.42,217.64 ; C153.1@1256.42,217.95 L38.1@1256.42,272.64 ; 1311.42,219.22 L37.2@1311.42,272.64
NetC152_1: C152.1 C155.1 C156.2 L43.1 L44.2 | length 165
  Bottom Layer w10: L44.2@1256.42,122.64 C156.2@1256.42,177.64 C155.1@1326.73,177.64 L43.1@1326.73,137.95
NetC157_2: C157.2 C159.2 C160.2 | length 70
  Bottom Layer w10: C160.2@1901.42,187.64 C157.2@1936.42,187.64 C159.2@1971.42,187.64
NetC159_1: C159.1 L41.1 | length 70.2
  Bottom Layer w10: L41.1@1986.42,127.64 2011.1,152.32 C159.1@2011.1,187.64
NetC160_1: C160.1 L42.2 | length 68.2
  Bottom Layer w10: C160.1@1861.73,187.64 1861.73,147.32 L42.2@1881.42,127.64
NetC161_1: C161.1 L46.1 U16.4 | length 90.6
  Bottom Layer w10: U16.4@1665.47,198.11 1741.26,198.11 C161.1@1751.73,187.64
NetC162_2: C162.2 R48.1 | length 65.3
  Top Layer w6: C162.2@280,495 R48.1@324,495 R48.1@345.31,495
NetC163_2: C163.2 R49.1 | length 44
  Top Layer w6: C163.2@280,400 R49.1@324,400